# Altium PCB Блок 1а (БУ АРМ).PcbDoc (part 3 of 4) (continued)
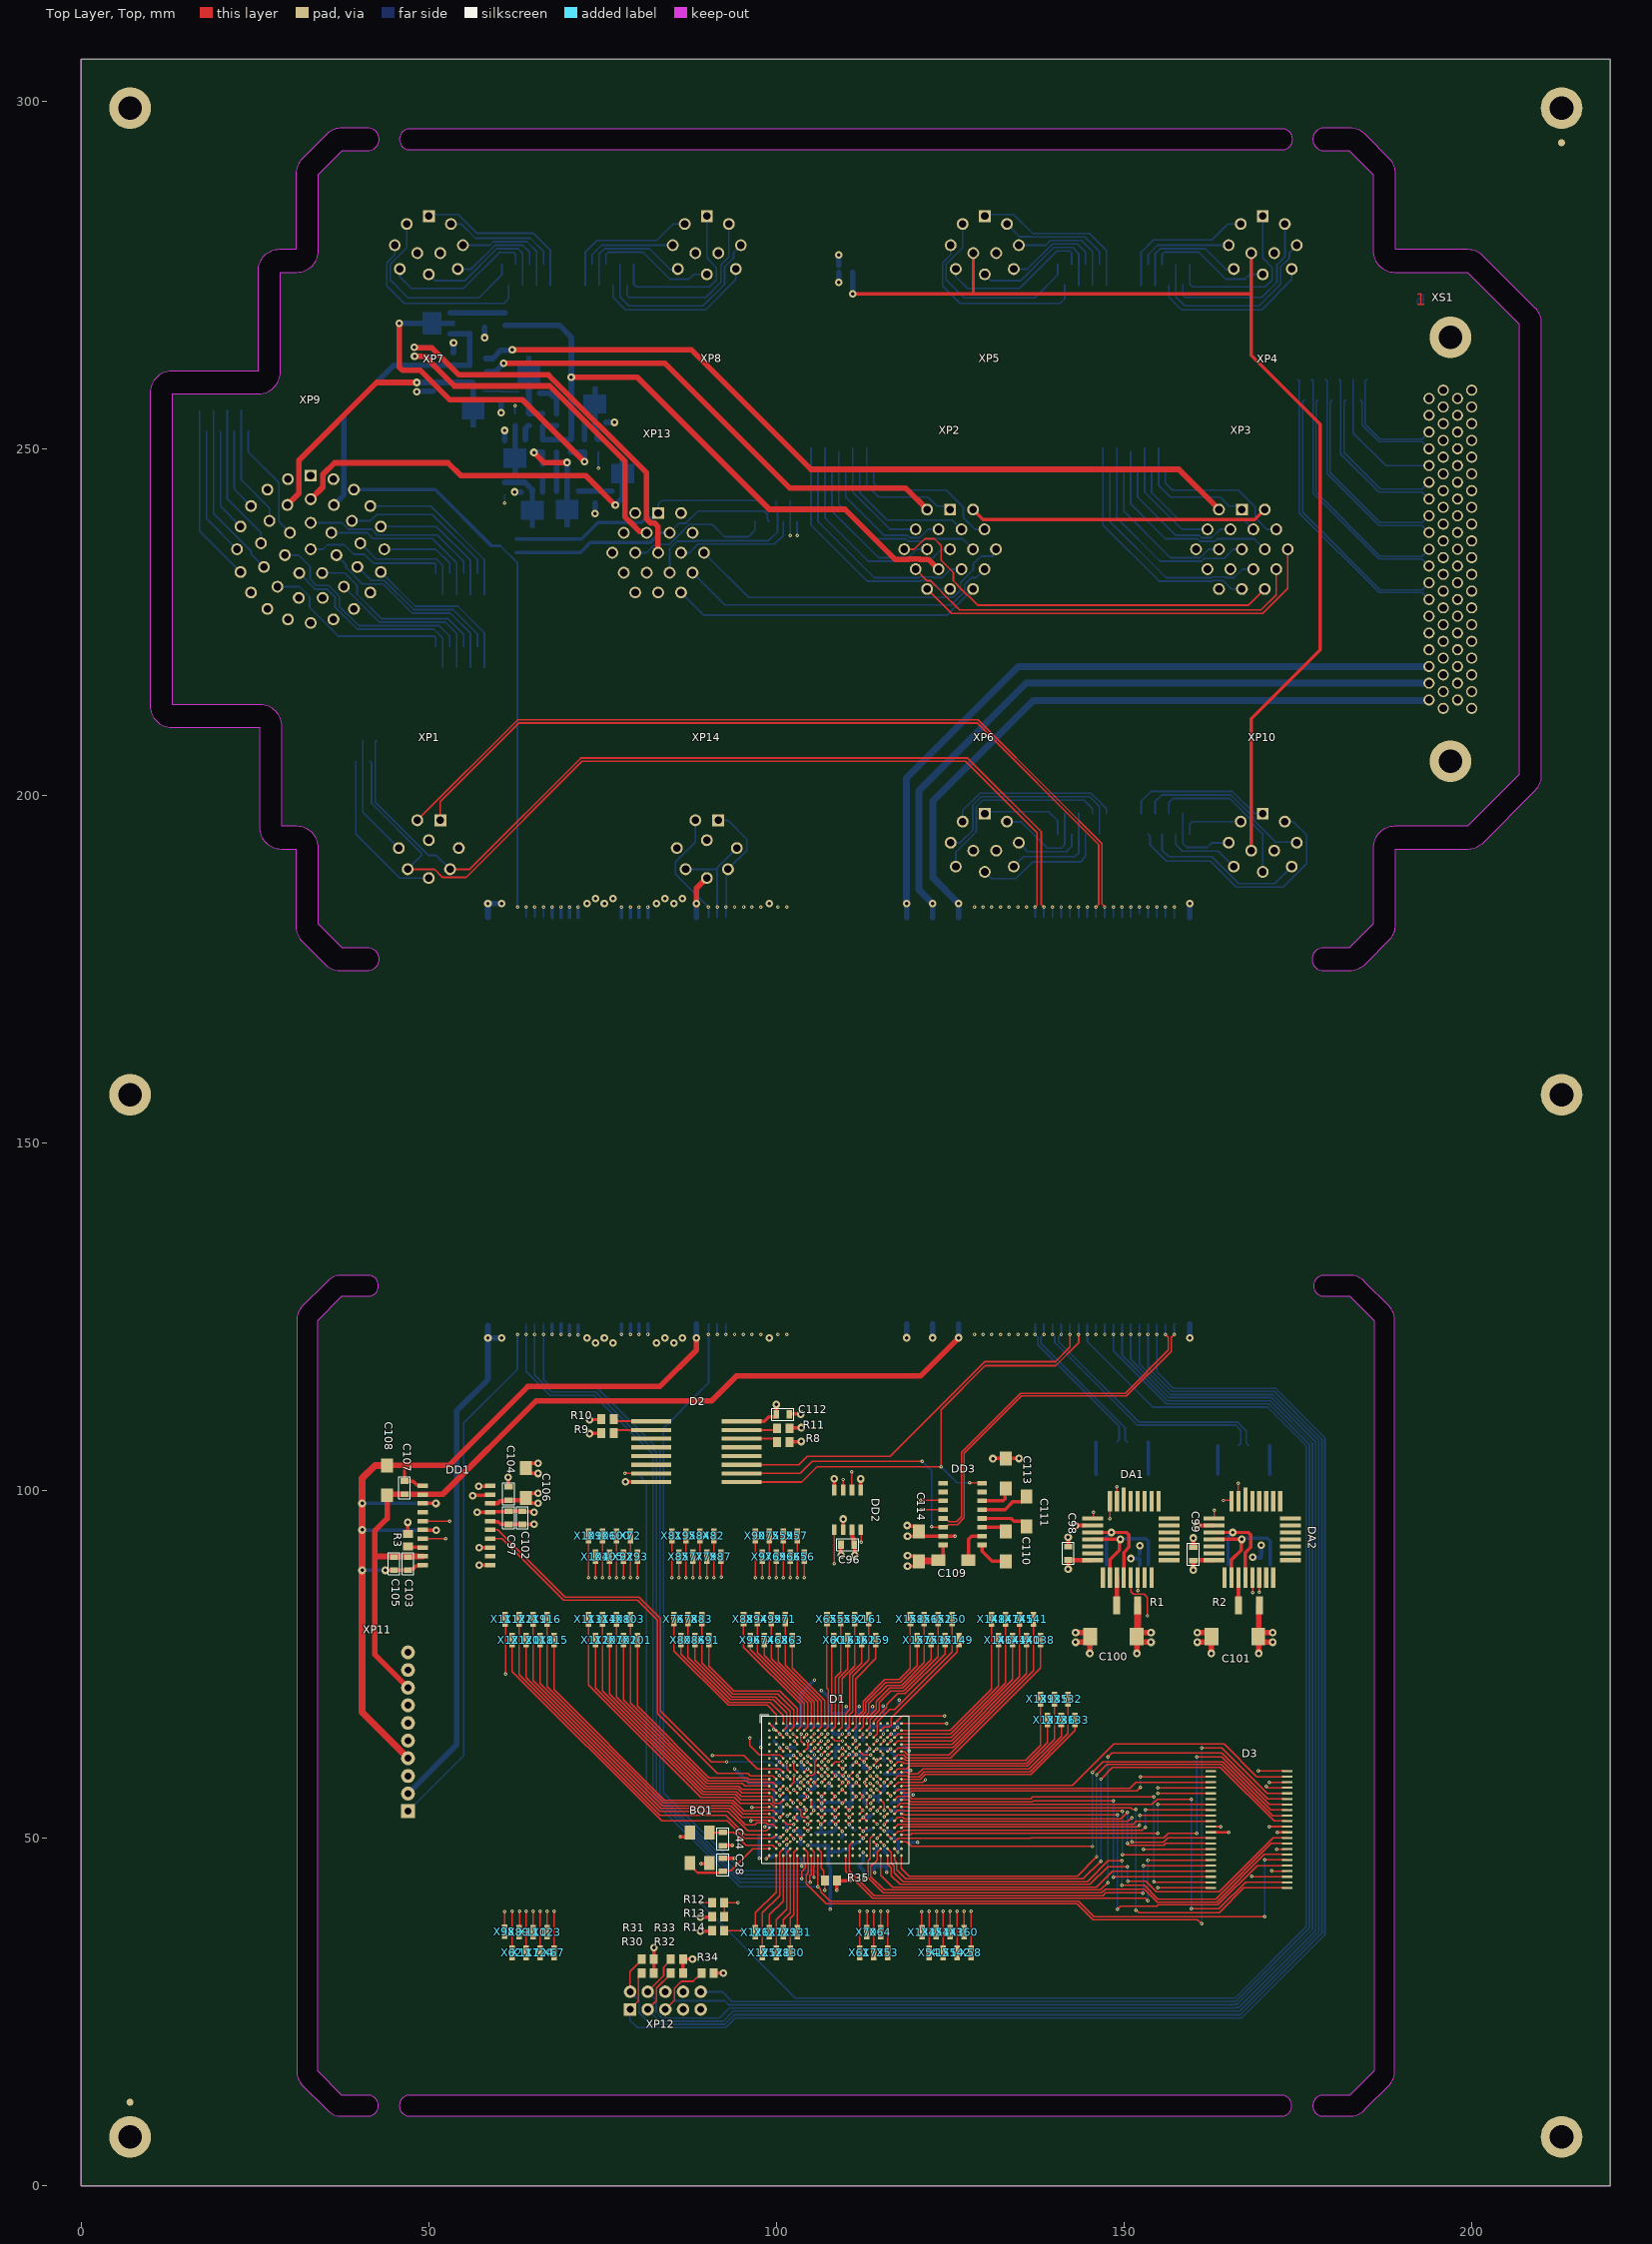
[diagram p0: Top Layer, Top view]
## Nets (pads, with @x,y where several pads share a name; then routed paths per layer and width w, separated by ;. In a path a pad name is that pad's centre, name@x,y a point inside that pad or via, vN(x,y) a via of type N, cw(c..) or ccw(c..) an arc to the next point about the centre after c; other vN are vias at no path point) (continued)
  Bottom Layer w0.6: v2(151,90.261) 152.2,90.261 152.3,90.161 Т1.2@152.3,89.35 ; Т1.2@152.3,90.9 v2(152.3,92.1) ; v2(168.557,90.424) 169.7,90.424 Т2.2@169.7,90.36 ; v2(169.757,92.15) 169.778,92.129 169.778,90.822 Т2.2@169.8,90.8
  Bottom Layer w0.8: v4(48.252,258.147) 48.333,258.147 48.436,258.25 K1.B@50.61,258.25 ; R26.2@53.545,263.769 v4(53.545,265.236) ; v4(60.393,255.157) R24.2@60.393,256.624 ; VT1.1@60.893,251.134 v4(60.893,252.601) ; v4(62.343,243.754) VT2.1@63.263,243.754 ; v4(73.893,240.657) R25.2@73.893,242.124 ; VT3.1@75.482,253.754 v4(76.74,253.754) ; v4(109,273.903) X225.1@109,275.37 ; X225.1@109,276.38 v4(109,277.847)
  other v1: 104.55,49 112.53,50 112.53,51 170.903,51.655 108.5,53 110.5,53 108.5,56 109.5,57 104.5,58 105.5,62 100.5,65 112.47,65
  other v2: 57.221,89.291 160.55,95.023
GNDgd: C103.2 C105.2 C107.2 C108.2 DD1.11 DD1.13 DD1.16 DD1.20 N1.1 N2.1 XP11.4 XP14.D | length 210
  Top Layer, Top w0.5: v2(43.75,88.55) C105.2@45,88.55 C103.2@47,88.55 47.15,88.7 47.718,88.7 48.228,89.21 49.075,89.21 DD1.20@49.15,89.285 ; 46.5,103.357 C107.2@46.5,101.4 47.7,101.4 48.31,100.79 49.075,100.79 DD1.11@49.15,100.715 ; DD1.16@49.15,94.365 49.173,94.342 51.062,94.342 v2(51.085,94.319) ; DD1.13@49.15,98.175 v2(51.025,98.175)
  Top Layer, Top w0.8: C108.2@44,103.65 52.9,103.65 64.25,115 83.25,115 88.5,120.25 v2(88.5,122) ; v2@88.5,184.3 88.5,186.68 XP14.D@90,188.18
  Top Layer, Top w1: C108.2@44,103.65 42.25,103.65 40.4,101.8 v2(40.4,98.175) v2(40.4,94.365) v2(40.4,88.55) 40.4,68.1 XP11.4@47,61.5
  Layer 1 w0.8: v2@88.5,122.25 v2@88.5,184.3
  Bottom Layer w0.5: v2@40.225,98.175 v2(40.4,98.175) v2(51.025,98.175) ; v2@40.44,88.55 v2(43.75,88.55) ; v2@40.479,94.365 40.502,94.342 51.062,94.342 v2(51.085,94.319)
  Bottom Layer w0.8: v2@88.5,122.25 N2.1@88.5,124 ; N1.1@88.5,182.5 88.5,183.15 v2(88.5,184.5)
GOTOV-K: VD1.2 XP2.M | length 72.6
  Top Layer, Top w0.8: v4(60.75,262.25) 84,262.25 101.969,244.281 118.639,244.281 XP2.M@121.7,241.22
  Bottom Layer w0.8: VD1.2@58.3,261.05 59.55,261.05 v4(60.75,262.25)
GOTOV-N: VD1.1 XP3.M | length 115.6
  Top Layer, Top w0.8: v4(62.012,264.2) 87.8,264.2 105,247 157.92,247 XP3.M@163.7,241.22
  Bottom Layer w0.8: VD1.1@58.15,262.95 59.2,262.95 60.393,264.143 61.955,264.143 v4(62.012,264.2)
INTERLOCK: D1.U8 N69.1 N70.1 R35.1 XP14.G | length 185
  Top Layer, Top w0.2: D1.U8@106,48.5 106.5,48 106.5,45.7 106.851,45.349 R35.1@106.851,43.915 ; v1(106.976,42.524) R35.1@106.976,43.915
  Layer 1 w0.25: v3(90.25,122.5) v3(90.25,184)
  Bottom Layer w0.2: 89.326,114.576 83.75,109 83.75,56.543 95.009,45.284 105.636,45.284 106.976,43.944 v1(106.976,42.524)
  Bottom Layer w0.25: XP14.G@88.35,196.49 88.35,193.35 85.5,190.5 85.5,188.75 v3(90.25,184) N70.1@90.25,182.5 ; 89.326,114.576 90.25,115.5 v3(90.25,122.5) N69.1@90.25,124
KORPUS: X226.1 XP1.B XP4.K XP5.K XP6.K XP7.K XP8.K XP9.A XP10.K XP13.G XP14.F | length 486.2
  Top Layer, Top w0.5: v4(111,272.25) 128.4,272.25 ; XP5.K@128.35,278.12 128.35,272.3 128.4,272.25 ; XP10.K@168.35,192.12 168.35,211.124 178.25,221.024 178.25,253.5 168.35,263.4 168.35,272.321 ; XP4.K@168.35,278.12 168.35,272.321 ; 128.4,272.25 168.279,272.25 168.35,272.321
  Layer 1 w0.5: XP9.A@33,246.1 33,260.25 45,272.25 48.444,272.25 ; XP7.K@48.35,278.12 48.35,272.344 48.444,272.25 ; XP1.B@54.32,192.5 54.32,200.024 51.654,202.69 51.654,272.25 ; XP13.G@83,229.28 83,226.828 85.68,224.148 ; XP14.F@85.68,192.5 85.68,199.524 ; XP8.K@88.35,278.12 88.35,272.31 88.41,272.25 ; v4(111,272.25) 95.653,272.25 ; XP6.K@128.35,192.12 120.946,199.524 85.68,199.524 ; 48.444,272.25 51.654,272.25 ; 51.654,272.25 88.41,272.25 ; 85.68,199.524 85.68,224.148 ; 85.68,224.148 95.653,234.122 95.653,272.25 ; 88.41,272.25 95.653,272.25
  Bottom Layer w0.8: v4(111,272.25) X226.1@111,275.37
M0_A_RX: D1.K16 DA1.3 | length 77.5
  Top Layer, Top w0.2: v1(113.504,57.902) 113.551,57.902 113.953,57.5 D1.K16@114,57.5 ; v1(148,96) DA1.3@148,98.5
  Layer 1 w0.2: v1(113.504,57.902) 113.015,57.413 112.303,57.413 112.186,57.53 112.186,59.364 112.081,59.468 112.081,61.263 112.341,61.523 112.879,61.523 112.952,61.45 113.831,61.45 115.129,62.748 115.749,62.748 116.217,62.28 117.016,62.28 119.853,65.118 119.853,68.922 134.681,83.75 151.614,83.75 154,86.136 154,93 151,96 v1(148,96)
M0_A_RXN: D1.K17 DA1.4 | length 80.1
  Top Layer, Top w0.2: v1@114.505,58.086 114.505,58.04 115,57.546 D1.K17@115,57.5 ; DA1.4@145.5,96 145.651,96.151 v1(145.651,96.921)
  Layer 1 w0.2: v1(114.5,58) 114.048,58.452 113.062,58.452 112.925,58.588 112.925,60.385 113.256,60.716 114.653,60.716 115.443,61.506 118.94,61.506 120.253,62.819 120.253,68.756 134.847,83.35 152.35,83.35 155,86 155,94 152.08,96.921 v1(145.651,96.921)
M0_A_TX: D1.L16 DA1.15 | length 63
  Top Layer, Top w0.2: v1@113.596,56.983 113.596,56.944 114,56.539 D1.L16@114,56.5 ; DA1.15@152,87.5 152.002,87.498 v1(152.002,85.65)
  Layer 1 w0.2: v1(113.6,56.975) 111.702,56.975 110.936,57.742 110.936,60.571 110.898,60.609 110.898,61.406 111.015,61.523 111.776,61.523 112.415,62.163 112.415,62.901 112.969,63.454 117.624,63.454 119.453,65.284 119.453,69.088 136.016,85.65 v1(152.002,85.65)
M0_A_TXEN: D1.M16 DA1.2 | length 73.7
  Top Layer, Top w0.2: v1@113.596,55.036 113.596,55.066 114,55.47 D1.M16@114,55.5 ; DA1.2@149,98.5 v1(149,100.55)
  Layer 1 w0.2: v1(113.575,55) 110.439,55 108.9,56.54 108.9,58.272 109.092,58.464 109.092,59.361 108.974,59.479 108.974,65.346 109.664,66.036 115.836,66.036 119.058,69.258 119.058,72.692 147.066,100.7 147.917,100.7 148.067,100.55 v1(149,100.55)
M0_A_TXN: D1.K19 DA1.14 | length 58.9
  Top Layer, Top w0.2: D1.K19@117,57.5 117.506,58.006 117.794,58.006 117.795,58.005 121.057,58.005 v1(121.453,58.402) ; DA1.14@151,87.5 151,85.476 151.376,85.1 152.934,85.1 153.4,84.634 v1(153.4,82)
  Layer 1 w0.2: v1(121.453,58.402) 121.453,66.853 136.6,82 v1(153.4,82)
M1_A_RX: D1.A20 DA2.3 | length 81.1
  Top Layer, Top w0.2: D1.A20@118,66.5 v1(124.5,66.5) ; v1(164.3,98.6) 165.4,98.6 DA2.3@165.5,98.5
  Layer 1 w0.2: v1(124.5,66.5) 138.801,80.8 167,80.8 172.2,86 172.2,93.6 167.2,98.6 v1(164.3,98.6)
M1_A_RXN: D1.A19 DA2.4 | length 81.8
  Top Layer, Top w0.2: D1.A19@117,66.5 118.1,67.6 v1(124.2,67.6) ; DA2.4@163,96 v1(163,97.2)
  Layer 1 w0.2: v1(124.2,67.6) 137.9,81.3 166.934,81.3 171.8,86.166 171.8,93.434 168.034,97.2 v1(163,97.2)
M1_A_TX: D1.G17 DA2.15 | length 72.1
  Top Layer, Top w0.2: v1(114.552,60.166) 114.615,60.166 114.949,60.5 D1.G17@115,60.5 ; v1(169.498,85.41) DA2.15@169.5,87.5 DA2.15@169.5,87.5
  Layer 1 w0.2: v1(114.552,60.166) 115.631,60.166 116.297,59.5 118.107,59.5 121.053,62.446 121.053,68.425 135.178,82.55 166.639,82.55 v1(169.498,85.41)
M1_A_TXEN: D1.F3 DA2.2 | length 94.7
  Top Layer, Top w0.2: v1(96.2,64.4) 96.2,63.346 97.551,61.995 100.505,61.995 D1.F3@101,61.5 ; DA2.2@166.5,98.5 v1(166.5,101.1)
  Layer 1 w0.2: v1(96.2,64.4) 103.805,72.005 117.805,72.005 146.9,101.1 v1(166.5,101.1)
M1_A_TXN: D1.F18 DA2.14 | length 67.7
  Top Layer, Top w0.2: D1.F18@116,61.5 116,61.498 116.542,60.956 v1(116.542,60.954) ; v1(168.56,85.333) DA2.14@168.56,86.66
  Layer 1 w0.2: v1(116.542,60.954) 118.954,60.954 120.653,62.653 120.653,68.591 135.013,82.95 166.177,82.95 v1(168.56,85.333)
M_ED1: D2.1 R10.1 | length 5.5
  Top Layer, Top w0.3: R10.1@76.575,110.309 76.884,110 D2.1@81.975,110
M_ED2: D2.15 R11.1 | length 5.2
  Top Layer, Top w0.3: D2.15@95.025,108.75 99.875,108.75 R11.1@100.125,109
M_GOTOV: D1.U7 N63.1 N64.1 R17.1 | length 241.7
  Top Layer, Top w0.2: D1.U7@105,48.5 105.495,48.005 105.495,45.936 105.42,45.861 105.42,44.419 v1(105.426,44.413)
  Layer 1 w0.25: v3(66.5,122.5) v3(66.5,184) 66.5,188 66.5,239.25 v1(74.393,247.143)
  Bottom Layer w0.2: N63.1@66.5,124 v3(66.5,122.5) 66.5,116 67.75,114.75 74.25,114.75 83.25,105.75 83.25,56.267 94.764,44.753 105.005,44.753 105.345,44.413 v1(105.426,44.413)
  Bottom Layer w0.25: N64.1@66.5,182.5 v3(66.5,184) ; v1(74.393,247.143) R17.1@74.393,249.504
M_PUSK: D1.V6 N67.1 N68.1 R15.1 | length 246.3
  Top Layer, Top w0.2: v1(103.651,44.191) 103.651,45.178 104.2,45.728 104.2,46.202 104,46.402 D1.V6@104,47.5
  Layer 1 w0.25: v1(62.393,256.143) 65.994,252.542 65.994,184.744 v3(65.25,184) ; v3@65.3,122.5 v3@65.3,184
  Bottom Layer w0.2: N67.1@65.25,124 v3(65.25,122.5) 65.25,119.164 65.25,116.664 67.664,114.25 73.957,114.25 82.75,105.457 82.75,56.698 82.75,56.202 94.76,44.191 v1(103.651,44.191)
  Bottom Layer w0.25: R15.1@62.393,255.004 v1(62.393,256.143) ; N68.1@65.25,182.5 v3(65.25,184)
M_SED0: D2.14 R8.1 | length 5.4
  Top Layer, Top w0.3: D2.14@95.025,107.5 99.7,107.5 100.125,107.075 R8.1@100.125,107
M_SED1: D2.2 R9.1 | length 5.6
  Top Layer, Top w0.3: R9.1@76.575,108.309 76.575,108.325 77,108.75 D2.2@81.975,108.75
M_SPUSKI: D1.V7 N65.1 N66.1 R16.1 | length 234.6
  Top Layer, Top w0.2: v1(104.89,43.633) 104.851,43.672 104.851,44.622 105,44.771 D1.V7@105,47.5
  Layer 1 w0.25: v1(60.893,242.143) 64,239.036 64,187.25 v3(64,184) ; v3@63.95,184 63.95,122.5 v3(64,122.5)
  Bottom Layer w0.2: N65.1@64,124 v3(64,122.5) 64,117.207 67.457,113.75 73.75,113.75 82.25,105.25 82.25,56.632 82.25,56.136 94.753,43.633 v1(104.89,43.633)
  Bottom Layer w0.25: v1(60.893,242.143) R16.1@60.893,243.379 ; N66.1@64,182.5 v3(64,184)
M_UART0_RX: D1.H4 DD3.12 | length 59.3
  Top Layer, Top w0.2: v1(101.505,60.986) 101.505,59.995 D1.H4@102,59.5 D1.H4@102.045,59.5 ; v1(120.808,97.283) DD3.12@124.014,97.283
  Layer 1 w0.2: v1(101.505,60.986) 100.941,61.55 95.9,61.55 95.495,61.955 95.495,66.604 114.625,85.734 114.625,94.734 117.174,97.283 v1(120.808,97.283)
M_UART0_TX: D1.H5 DD3.11 | length 62.4
  Top Layer, Top w0.2: v1@102.486,60.924 102.495,60.915 102.495,60.005 D1.H5@103,59.5 ; v1(120.75,98.65) 123.917,98.65 DD3.11@124.014,98.553
  Layer 1 w0.2: v1(102.5,61) 101.936,60.436 96.261,60.436 95.095,61.602 95.095,66.77 114.225,85.9 114.225,94.9 117.975,98.65 v1(120.75,98.65)
MC1N: N77.1 N78.1 R5.2 X2.1 XP1.E | length 217.7
  Top Layer, Top w0.25: XP1.E@46.95,189.45 50.812,189.45 51.987,188.275 55.334,188.275 72.059,205 127.25,205 137.532,194.718 137.532,184.282 v3(137.25,184)
  Layer 1 w0.25: v3(137.25,122.5) v3(137.25,184)
  Bottom Layer w0.25: X2.1@41.5,205 41.76,204.74 41.76,198.931 48.992,191.699 48.992,191.492 XP1.E@46.95,189.45 ; N78.1@137.25,124 v3(137.25,122.5) 137.646,122.104 137.646,121.001 149.323,109.324 149.323,107.323 R5.2@149,107 ; N77.1@137.25,182.5 v3(137.25,184)
MC1P: N75.1 N76.1 R4.2 X1.1 XP1.C | length 216.2
  Top Layer, Top w0.25: XP1.C@53.05,189.45 55.872,189.45 71.872,205.45 127.55,205.45 138.132,194.868 138.132,193.618 138.132,193.368 138.132,184.368 v3(138.5,184)
  Layer 1 w0.25: v3(138.5,122.5) v3(138.5,184)
  Bottom Layer w0.25: X1.1@42.5,208 42.279,207.779 42.279,199.118 49.968,191.43 51.07,191.43 XP1.C@53.05,189.45 ; N75.1@138.5,124 v3(138.5,122.5) 138.101,122.101 138.101,121.182 150.188,109.095 150.188,107.312 R4.2@150.5,107 ; N76.1@138.5,182.5 v3(138.5,184)
MC2N: N81.1 N82.1 R7.2 X228.1 | length 174.6
  Layer 1 w0.25: v1(102,237.5) 102,233.733 140.13,195.602 140.13,184.38 v3(139.75,184) v3(139.75,122.5)
  Bottom Layer w0.25: v1(102,237.5) X228.1@102,242.5 ; N82.1@139.75,124 v3(139.75,122.5) 140.073,122.177 140.073,121.344 151.973,109.443 166.118,109.443 166.847,108.714 166.847,106.847 R7.2@166.5,106.5 ; N81.1@139.75,182.5 v3(139.75,184)
MC2P: N79.1 N80.1 R6.2 X227.1 | length 171.6
  Layer 1 w0.25: v1(103,237.5) 103.001,237.499 103.001,233.368 140.58,195.789 140.58,184.42 v3(141,184) v3(141,122.5)
  Bottom Layer w0.25: v1(103,237.5) X227.1@103,239.5 ; N80.1@141,124 v3(141,122.5) 140.609,122.109 140.609,121.445 152.16,109.893 166.357,109.893 167.634,108.616 167.634,106.866 R6.2@168,106.5 ; N79.1@141,182.5 v3(141,184)
MKIO_EKR: X3.1 XP1.D | length 23.6
  Bottom Layer w0.25: X3.1@39.5,205 39.5,194.5 45.82,188.18 XP1.D@50,188.18
NetC109_2: C109.2 DD3.2 | length 5.2
  Top Layer, Top w0.5: C109.2@127.65,90 127.65,93.025 128.098,93.473 DD3.2@129.614,93.473
NetC110_1: C110.1 DD3.1 | length 4.9
  Top Layer, Top w0.5: DD3.1@129.614,92.203 129.614,91.286 131.05,89.85 C110.1@133,89.85
NetC110_2: C110.2 DD3.3 | length 3.6
  Top Layer, Top w0.5: DD3.3@129.614,94.743 132.407,94.743 C110.2@133,94.15
NetC111_1: C111.1 DD3.4 | length 7
  Top Layer, Top w0.5: DD3.4@129.614,96.013 133.787,96.013 134.2,95.6 135.4,95.6 136,95 C111.1@136,94.85
NetC111_2: C111.2 DD3.5 | length 7.2
  Top Layer, Top w0.5: DD3.5@129.614,97.283 132.908,97.283 134.025,98.4 135.4,98.4 136,99 C111.2@136,99.15
NetC113_1: C113.1 DD3.6 | length 5
  Top Layer, Top w0.5: DD3.6@129.614,98.553 132.653,98.553 132.946,98.846 132.946,100.296 C113.1@133,100.35
NetD1_A2: D1.A2 X76.1 | length 24.4
  Top Layer, Top w0.2: X76.1@85.292,81.536 85.292,76.946 93.081,69.157 98.677,69.157 100,67.834 D1.A2@100,66.5
NetD1_A3: D1.A3 X80.1 | length 21.6
  Top Layer, Top w0.2: X80.1@86.292,78.536 86.292,76.512 93.247,69.557 99.12,69.557 101,67.677 D1.A3@101,66.5
NetD1_A4: D1.A4 X86.1 | length 21.4
  Top Layer, Top w0.2: X86.1@88.292,78.536 88.292,75.643 93.578,70.357 99.869,70.357 102,68.226 D1.A4@102,66.5
NetD1_A5: D1.A5 X91.1 | length 21.2
  Top Layer, Top w0.2: X91.1@90.292,78.536 90.292,74.774 93.91,71.157 100.54,71.157 103,68.697 D1.A5@103,66.5
NetD1_A6: D1.A6 X96.1 | length 15.2
  Top Layer, Top w0.2: X96.1@96.292,78.536 96.292,77.124 104,69.416 D1.A6@104,66.5
NetD1_A7: D1.A7 X74.1 | length 14.8
  Top Layer, Top w0.2: X74.1@98.292,78.536 98.292,76.255 105,69.547 D1.A7@105,66.5
NetD1_A8: D1.A8 X68.1 | length 14.4
  Top Layer, Top w0.2: X68.1@100.292,78.536 100.292,75.387 106,69.679 D1.A8@106,66.5
NetD1_A9: D1.A9 X63.1 | length 14
  Top Layer, Top w0.2: X63.1@102.292,78.536 102.292,74.518 107,69.81 D1.A9@107,66.5
NetD1_A10: D1.A10 X60.1 | length 12.2
  Top Layer, Top w0.2: D1.A10@108,66.5 108,78.244 X60.1@108.292,78.536
NetD1_A11: D1.A11 X163.1 | length 12.6
  Top Layer, Top w0.2: D1.A11@109,66.5 109,73.078 110.292,74.37 X163.1@110.292,78.536
NetD1_A12: D1.A12 X162.1 | length 13
  Top Layer, Top w0.2: D1.A12@110,66.5 110,67.9 110.592,68.492 110.592,73.539 112.292,75.239 X162.1@112.292,78.536
NetD1_A13: D1.A13 X159.1 | length 13.4
  Top Layer, Top w0.2: D1.A13@111,66.5 111,67.433 111.392,67.825 111.392,72.922 114.292,75.822 X159.1@114.292,78.536
NetD1_A14: D1.A14 X157.1 | length 16.7
  Top Layer, Top w0.2: D1.A14@112,66.5 112,67.284 112.892,68.176 112.892,69.523 115.774,72.405 117.843,72.405 120.292,74.854 X157.1@120.292,78.536
NetD1_A15: D1.A15 X153.1 | length 17
  Top Layer, Top w0.2: D1.A15@113,66.5 113,67.153 114.392,68.545 114.392,69.672 116.325,71.605 118.174,71.605 122.292,75.723 X153.1@122.292,78.536
NetD1_A16: D1.A16 X151.1 | length 16.9
  Top Layer, Top w0.2: D1.A16@114,66.5 114,66.881 115.902,68.783 115.902,69.246 117.461,70.805 118.561,70.805 124.292,76.536 X151.1@124.292,78.536
NetD1_B3: D1.B3 X78.1 | length 25.7
  Top Layer, Top w0.2: X78.1@87.292,81.536 87.292,76.077 93.413,69.957 99.555,69.957 101.495,68.017 101.495,65.995 D1.B3@101,65.5
NetD1_B4: D1.B4 X83.1 | length 25.5
  Top Layer, Top w0.2: X83.1@89.292,81.536 89.292,75.209 93.744,70.757 100.235,70.757 102.505,68.487 102.505,66.005 D1.B4@102,65.5
NetD1_B5: D1.B5 X88.1 | length 19.6
  Top Layer, Top w0.2: X88.1@95.292,81.536 95.292,77.503 103.495,69.3 103.495,65.995 D1.B5@103,65.5
NetD1_B6: D1.B6 X94.1 | length 19.2
  Top Layer, Top w0.2: X94.1@97.292,81.536 97.292,76.69 104.495,69.487 104.495,65.995 D1.B6@104,65.5
NetD1_B7: D1.B7 X99.1 | length 18.8
  Top Layer, Top w0.2: X99.1@99.292,81.536 99.292,75.821 105.495,69.618 105.495,65.995 D1.B7@105,65.5
NetD1_B8: D1.B8 X71.1 | length 18.4
  Top Layer, Top w0.2: X71.1@101.292,81.536 101.292,74.952 106.495,69.749 106.495,65.995 D1.B8@106,65.5
NetD1_B9: D1.B9 X65.1 | length 16.3
  Top Layer, Top w0.2: D1.B9@107,65.5 107.495,65.995 107.495,71.433 107.292,71.636 X65.1@107.292,81.536
NetD1_B10: D1.B10 X55.1 | length 16.6
  Top Layer, Top w0.2: D1.B10@108,65.5 108.495,65.995 108.495,73.139 109.292,73.936 X55.1@109.292,81.536
NetD1_B11: D1.B11 X52.1 | length 17
  Top Layer, Top w0.2: D1.B11@109,65.5 109.495,65.995 109.495,67.99 109.492,67.993 109.492,73.005 111.292,74.805 X52.1@111.292,81.536
NetD1_B12: D1.B12 X161.1 | length 17.4
  Top Layer, Top w0.2: D1.B12@110,65.5 110.495,65.995 110.495,67.711 110.992,68.208 110.992,73.373 113.292,75.673 X161.1@113.292,81.536
NetD1_B13: D1.B13 X158.1 | length 20.7
  Top Layer, Top w0.2: D1.B13@111,65.5 111.505,66.005 111.505,67.355 112.492,68.342 112.492,69.689 115.608,72.805 117.677,72.805 119.292,74.42 X158.1@119.292,81.536
NetD1_B14: D1.B14 X156.1 | length 21.1
  Top Layer, Top w0.2: D1.B14@112,65.5 112.505,66.005 112.505,67.224 113.292,68.011 113.292,69.358 115.94,72.005 118.009,72.005 121.292,75.289 X156.1@121.292,81.536
NetD1_B15: D1.B15 X152.1 | length 21.4
  Top Layer, Top w0.2: D1.B15@113,65.5 113.505,66.005 113.505,67.092 114.792,68.379 114.792,69.506 116.491,71.205 118.34,71.205 123.292,76.157 X152.1@123.292,81.536
NetD1_B17: D1.B17 X149.1 | length 18.1
  Top Layer, Top w0.2: D1.B17@115,65.5 115.502,66.002 116.202,66.002 116.505,66.305 116.505,67.333 125.992,76.82 125.992,78.236 X149.1@126.292,78.536
NetD1_B20: D1.B20 X148.1 | length 25.5
  Top Layer, Top w0.2: D1.B20@118,65.5 125,65.5 131,71.5 X148.1@131,81.5
NetD1_C5: D1.C5 X84.1 | length 34.9
  Top Layer, Top w0.2: v1(89,87.5) X84.1@89,93.5 ; v1(102.407,65) 102.454,65 102.954,64.5 D1.C5@103,64.5
  Mid-Layer 1, int1 w0.2: v1(89,87.5) 89,78.407 v1(102.407,65)
NetD1_C6: D1.C6 X87.1 | length 31.3
  Top Layer, Top w0.2: X87.1@92,90.5 92.067,90.434 v1(92.067,87.567) ; D1.C6@104,64.5 104,64.551 104.352,64.904 v1(104.352,64.96)
  Mid-Layer 1, int1 w0.2: v1(92.067,87.567) 92.067,77.303 104.352,65.017 v1(104.352,64.96)
NetD1_C7: D1.C7 X97.1 | length 29.3
  Top Layer, Top w0.2: v1(98,87.5) X97.1@98,90.5 ; D1.C7@105,64.5 105,64.544 105.452,64.996 v1(105.452,65.04)
  Mid-Layer 1, int1 w0.2: v1(98,87.5) 98,72.827 105.395,65.432 105.395,65.097 v1(105.452,65.04)
NetD1_C8: D1.C8 X69.1 | length 29
  Top Layer, Top w0.2: v1(100,87.5) X69.1@100,90.5 ; D1.C8@106,64.5 106.026,64.5 106.526,65 v1(106.552,65)
  Mid-Layer 1, int1 w0.2: v1(100,87.5) 100,72.453 106.552,65.9 v1(106.552,65)
NetD1_C9: D1.C9 X59.1 | length 31.9
  Top Layer, Top w0.2: v1(101,87.5) X59.1@101,93.5 ; D1.C9@107,64.5 107,64.544 107.442,64.986 v1@107.442,65.03
  Mid-Layer 1, int1 w0.2: v1(101,87.5) 101,72.018 107.425,65.593 v1(107.425,65)
  Bottom Layer w0.2: v1@107.442,65.03 v1@107.47,65.058
NetD1_C10: D1.C10 X58.1 | length 50.2
  Top Layer, Top w0.2: D1.C10@108,64.5 108.495,64.005 109.519,64.005 v1(109.524,64) ; X58.1@128,33.5 v1(128,39.5)
  Mid-Layer 1, int1 w0.2: v1(109.524,64) 110.515,64 114.001,67.486 118.74,67.486 125.889,60.337 125.889,41.611 v1(128,39.5)
NetD1_C16: D1.C16 X150.1 | length 22.2
  Top Layer, Top w0.2: D1.C16@114,64.5 114.505,65.005 114.505,66.72 116.302,68.518 117.049,68.518 125.292,76.761 X150.1@125.292,81.536
NetD1_C19: D1.C19 X146.1 | length 24.6
  Top Layer, Top w0.2: D1.C19@117,64.5 117.505,65.005 125.07,65.005 132,71.934 X146.1@132,78.5
NetD1_C20: D1.C20 X147.1 | length 27.4
  Top Layer, Top w0.2: D1.C20@118,64.5 125.131,64.5 133,72.369 X147.1@133,81.5
NetD1_D5: D1.D5 X77.1 | length 34.6
  Top Layer, Top w0.2: v1(88,87.5) X77.1@88,90.5 ; v1(102.578,64.011) 102.578,63.966 103,63.545 D1.D5@103,63.5
  Mid-Layer 1, int1 w0.2: v1(88,87.5) 88,76.242 99.792,64.45 102.14,64.45 v1(102.578,64.011)
NetD1_D6: D1.D6 X82.1 | length 35.5
  Top Layer, Top w0.2: v1(91,87.5) X82.1@91,93.5 ; v1(103.587,65.005) 103.529,64.947 103.529,64.729 103.5,64.7 103.5,64 D1.D6@104,63.5
  Mid-Layer 1, int1 w0.2: v1(91,87.5) 91,77.803 103.529,65.274 103.529,65.062 v1(103.587,65.005)
NetD1_D7: D1.D7 X90.1 | length 33.7
  Top Layer, Top w0.2: v1(97,87.5) X90.1@97,93.5 ; D1.D7@105,63.5 105,63.545 105.482,64.026 v1(105.482,64.071)
  Mid-Layer 1, int1 w0.2: v1(97,87.5) 97,73.261 104.902,65.359 104.902,64.599 105.431,64.071 v1(105.482,64.071)
NetD1_D8: D1.D8 X75.1 | length 33.3
  Top Layer, Top w0.2: v1(99,87.5) X75.1@99,93.5 ; D1.D8@106,63.5 v1@106.492,63.992
  Mid-Layer 1, int1 w0.2: v1(99,87.5) 99,72.887 106.002,65.885 106.002,64.498 v1(106.5,64)
NetD1_D9: D1.D9 X66.1 | length 29.8
  Top Layer, Top w0.2: v1(102,87.5) X66.1@102,90.5 ; D1.D9@107,63.5 107.446,63.947 v1@107.446,63.982
  Mid-Layer 1, int1 w0.2: v1(102,87.5) 102,71.584 107.975,65.609 107.975,64.475 v1(107.5,64)
NetD1_D10: D1.D10 X57.1 | length 34
  Top Layer, Top w0.2: v1(103,87.5) X57.1@103,93.5 ; v1@107.407,63 107.426,63.019 107.519,63.019 D1.D10@108,63.5
  Mid-Layer 1, int1 w0.2: v1(103,87.5) 103,71.15 108.375,65.775 108.375,64.131 108.375,63.95 v1(107.425,63)
  Bottom Layer w0.2: v1@107.371,63.036 v1@107.407,63
NetD1_D12: D1.D12 X160.1 | length 44.5
  Top Layer, Top w0.2: D1.D12@110,63.5 v1@110.464,63.036 ; X160.1@127,36.5 v1(127,39.5)
  Mid-Layer 1, int1 w0.2: v1(110.5,63) 111.032,63.532 112.033,63.532 112.4,63.9 113.4,63.9 116.586,67.086 118.574,67.086 125.486,60.175 125.486,41.449 126.4,40.534 126.4,40.1 v1(127,39.5)
NetD1_D14: D1.D14 X155.1 | length 42.1
  Top Layer, Top w0.2: v1(111.5,62.982) 111.5,62.991 112,63.491 D1.D14@112,63.5 ; X155.1@124,33.5 v1(124,39.5)
  Mid-Layer 1, int1 w0.2: v1(111.5,62.982) 112.755,62.982 113.272,63.5 116.672,63.5 117.711,62.461 118.253,62.461 118.887,63.095 120.868,63.095 124.286,59.678 124.286,41.089 124,40.803 v1(124,39.5)
NetD1_D17: D1.D17 X142.1 | length 41.7
  Top Layer, Top w0.2: D1.D17@115,63.5 115,63.525 115.5,64.025 v1(115.5,64.05) ; X142.1@126,33.5 v1(126,39.5)
  Mid-Layer 1, int1 w0.2: v1(115.5,64.05) 115.966,64.516 115.966,65.641 117.012,66.686 118.409,66.686 125.086,60.009 125.086,41.283 126,40.369 v1(126,39.5)
NetD1_D18: D1.D18 X143.1 | length 34.2
  Top Layer, Top w0.2: D1.D18@116,63.5 116,63.525 116.5,64.025 v1(116.5,64.05) ; X143.1@125,36.5 v1(125,39.5)
  Mid-Layer 1, int1 w0.2: v1(116.5,64.05) 120.479,64.05 124.686,59.843 124.686,41.117 125,40.803 v1(125,39.5)
NetD1_D19: D1.D19 X144.1 | length 26.6
  Top Layer, Top w0.2: D1.D19@117,63.5 117.495,63.995 125.192,63.995 134,72.803 X144.1@134,78.5
NetD1_D20: D1.D20 X145.1 | length 29.3
  Top Layer, Top w0.2: D1.D20@118,63.5 125.263,63.5 135,73.237 X145.1@135,81.5
NetD1_E5: D1.E5 X93.1 | length 44.6
  Top Layer, Top w0.2: v1(80,87.5) X93.1@80,90.5 ; D1.E5@103,62.5 103.011,62.5 103.544,61.966 v1@103.555,61.966
  Mid-Layer 1, int1 w0.2: v1(80,87.5) 80,78.96 98.524,60.436 102.714,60.436 103.05,60.772 103.05,61.55 v1(103.5,62)
NetD1_E6: D1.E6 X79.1 | length 34.9
  Top Layer, Top w0.2: v1(90,87.5) X79.1@90,90.5 ; D1.E6@104,62.5 104.505,63.005 104.505,64.074 v1@104.51,64.078
  Mid-Layer 1, int1 w0.2: v1(90,87.5) 90,78.238 102.975,65.263 102.975,64.501 103.451,64.025 v1(104.5,64.025)
NetD1_E7: D1.E7 X85.1 | length 40.5
  Top Layer, Top w0.2: v1(86,87.5) X85.1@86,90.5 ; D1.E7@105,62.5 105.044,62.5 105.515,62.971 v1(105.559,62.971)
  Mid-Layer 1, int1 w0.2: v1(86,87.5) 86,76.337 99.942,62.395 101.58,62.395 102.156,62.971 v1(105.559,62.971)
NetD1_E8: D1.E8 X95.1 | length 42.9
  Top Layer, Top w0.2: v1(87,87.5) X95.1@87,93.5 ; D1.E8@106,62.5 v1@106.436,62.936
  Mid-Layer 1, int1 w0.2: v1(87,87.5) 87,76.392 99.342,64.05 101.692,64.05 102.32,63.423 104.886,63.423 104.984,63.521 105.979,63.521 v1(106.5,63)
NetD1_E9: D1.E9 X70.1 | length 29.3
  Top Layer, Top w0.2: v1@106.492,62.036 106.536,62.036 D1.E9@107,62.5 ; X70.1@113.05,36.55 v1(113.05,39.491)
  Layer 1 w0.2: v1@106.514,62.036 105.957,61.48 105.957,57.646 107.492,56.112 107.492,45.008 v1@113,39.5
  other v1: 106.5,62
NetD1_E10: D1.E10 X56.1 | length 31.9
  Top Layer, Top w0.2: v1(104,87.5) X56.1@104,90.5 ; v1(107.409,61.998) 107.454,61.998 107.956,62.5 D1.E10@108,62.5
  Mid-Layer 1, int1 w0.2: v1(104,87.5) 104,70.8 108.775,66.025 108.775,63.35 107.423,61.998 v1(107.409,61.998)
NetD1_E14: D1.E14 X154.1 | length 36.4
  Top Layer, Top w0.2: D1.E14@112,62.5 112.495,62.005 v1(113.575,62.005) ; X154.1@123.05,36.55 v1(123.05,39.491)
  Mid-Layer 1, int1 w0.2: v1(113.575,62.005) 113.656,62.005 113.875,62.224 114.737,62.224 115.257,62.745 115.426,62.745 116.236,61.935 120.315,61.935 123.886,58.364 123.886,41.254 123.05,40.419 v1(123.05,39.491)
NetD1_E19: D1.E19 X140.1 | length 28.5
  Top Layer, Top w0.2: D1.E19@117,62.5 117.505,63.005 118.811,63.005 118.901,63.095 125.424,63.095 136,73.672 X140.1@136,78.5
NetD1_E20: D1.E20 X141.1 | length 31.6
  Top Layer, Top w0.2: D1.E20@118,62.5 118.036,62.464 118.433,62.464 118.927,61.97 124.864,61.97 137,74.106 X141.1@137,81.5
NetD1_F7: D1.F7 X81.1 | length 43.7
  Top Layer, Top w0.2: v1(85,87.5) X81.1@85,93.5 ; v1@104.497,61.911 104.543,61.911 104.954,61.5 D1.F7@105,61.5
  Mid-Layer 1, int1 w0.2: v1(85,87.5) 85,76.69 99.765,61.925 101.688,61.925 102.313,62.55 103.875,62.55 v1(104.55,61.875)
NetD1_F8: D1.F8 X92.1 | length 49.3
  Top Layer, Top w0.2: v1(78,87.5) X92.1@78,90.5 ; v1@104.419,59.009 104.423,59.005 105.205,59.005 105.505,59.305 105.505,61.005 D1.F8@106,61.5
  Mid-Layer 1, int1 w0.2: v1(78,87.5) 78,79.828 98.193,59.636 103.789,59.636 v1(104.425,59)
NetD1_F9: D1.F9 X73.1 | length 31.9
  Top Layer, Top w0.2: v1@106.542,60.979 106.542,61.042 D1.F9@107,61.5 ; X73.1@114,33.5 v1(114,39.5)
  Layer 1 w0.2: v1(106.55,61) 107.025,60.525 107.779,60.525 107.992,60.312 107.992,58.772 108.157,58.607 108.157,57.351 107.933,57.127 107.933,45.567 v1(114,39.5)
  Bottom Layer w0.2: v1@106.534,60.97 v1@106.542,60.979
NetD1_F10: D1.F10 X64.1 | length 35.5
  Top Layer, Top w0.2: v1(107.5,61.075) 107.537,61.075 107.962,61.5 D1.F10@108,61.5 ; X64.1@115,36.5 v1(115,39.5)
  Mid-Layer 1, int1 w0.2: v1(107.5,61.075) 108.735,61.075 109.297,60.513 109.77,60.513 110.731,59.552 114.182,59.552 114.209,59.525 115.428,59.525 116.123,58.83 117.226,58.83 118.276,57.78 118.276,45.504 115,42.228 v1(115,39.5)
NetD1_F11: D1.F11 X54.1 | length 41.9
  Top Layer, Top w0.2: D1.F11@109,61.5 109.542,62.042 v1@109.542,62.046 ; X54.1@122,33.5 v1(122,39.5)
  Mid-Layer 1, int1 w0.2: v1(109.55,62.025) 110.052,61.523 112.859,61.523 112.932,61.45 113.803,61.45 113.848,61.495 113.868,61.495 114.197,61.824 114.72,61.824 115.05,61.495 116.305,61.495 116.316,61.506 120.172,61.506 123.486,58.192 123.486,41.42 122.65,40.585 122.65,40.151 v1(122,39.5)
NetD1_F19: D1.F19 X138.1 | length 30.7
  Top Layer, Top w0.2: D1.F19@117,61.5 117.495,61.995 118.336,61.995 118.761,61.57 125.07,61.57 138,74.5 X138.1@138,78.5
NetD1_F20: D1.F20 X139.1 | length 27.7
  Top Layer, Top w0.2: D1.F20@118,61.5 118.036,61.463 118.302,61.463 118.596,61.17 135.834,61.17 138,63.336 X139.1@138,70
NetD1_G7: D1.G7 X72.1 | length 48.7
  Top Layer, Top w0.2: v1(79,87.5) X72.1@79,93.5 ; v1@104.416,61.007 104.493,61.007 D1.G7@105,60.5
  Mid-Layer 1, int1 w0.2: v1(79,87.5) 79,79.394 98.359,60.036 103.461,60.036 v1(104.425,61)